# Altium PCB V1_PCB-main.PcbDoc (part 6 of 7)
Units mm, origin at the board's own origin, x right, y up, seen from the top; angles counter-clockwise.
Board outline 178 x 75 mm, 4 copper layers (Top Layer, Inner layer 1, Inner layer 2, Bottom Layer), stack 1.596 mm thick; 451 components, 230 nets, 1388 pads, 724 vias.
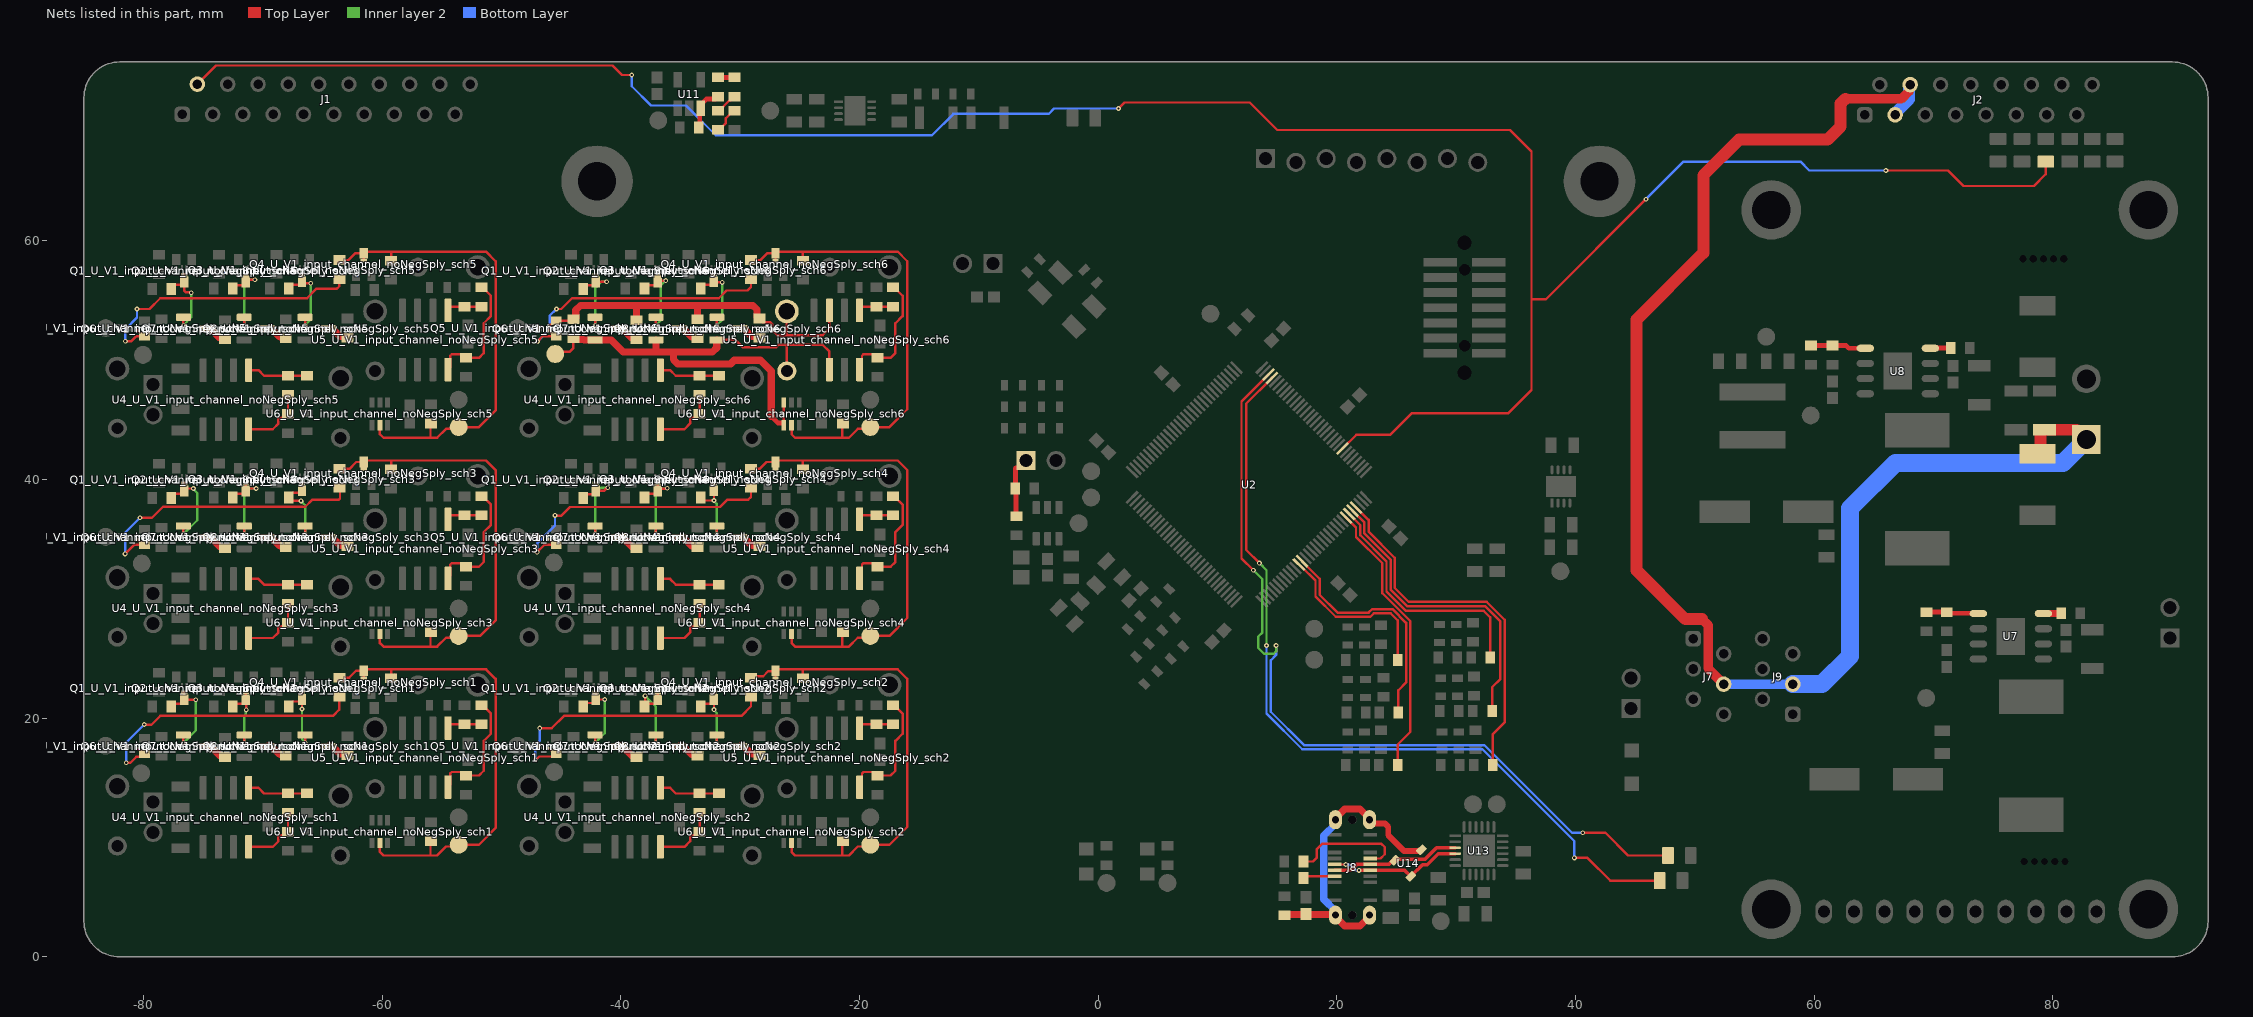
[diagram p8: the nets of this part, all layers, seen from the top]

## Via types
v1: diameter 0.4, hole 0.2, Top Layer to Bottom Layer, tented both sides, 712 vias
v2: diameter 0.5, hole 0.2, Top Layer to Bottom Layer, tented both sides, 12 vias

## Nets (pads, with @x,y where several pads share a name; then routed paths per layer and width w, separated by ;. In a path a pad name is that pad's centre, name@x,y a point inside that pad or via, vN(x,y) a via of type N, cw(c..) or ccw(c..) an arc to the next point about the centre after c; other vN are vias at no path point) (continued)
NetJ5_U_V1_input_channel_noNegSply_sch6_NEG: J5_U_V1_input_channel_noNegSply_sch6.NEG Q6_U_V1_input_channel_noNegSply_sch6.2 Q7_U_V1_input_channel_noNegSply_sch6.2 Q8_U_V1_input_channel_noNegSply_sch6.2 R25_U_V1_input_channel_noNegSply_sch6.1 TP5_U_V1_input_channel_noNegSply_sch6.1 U5_U_V1_input_channel_noNegSply_sch6.6 U6_U_V1_input_channel_noNegSply_sch6.3 U6_U_V1_input_channel_noNegSply_sch6.4 | length 47.1
  Top Layer w0.2: TP5_U_V1_input_channel_noNegSply_sch6.1@-45.5,50.525 -45.325,50.7 -44.3,50.7 -43.987,51.013 R25_U_V1_input_channel_noNegSply_sch6.1@-43.987,51.853 ; Q8_U_V1_input_channel_noNegSply_sch6.2@-31.967,51.703 -30.403,51.703 -29.8,51.1 -27,51.1 -26.8,51.3 -26.1,51.3 ; U6_U_V1_input_channel_noNegSply_sch6.4@-26.35,44.55 -26.35,44.737 U6_U_V1_input_channel_noNegSply_sch6.3@-26.35,46.45 ; J5_U_V1_input_channel_noNegSply_sch6.NEG@-26.1,49.1 -26.1,51.3 ; U5_U_V1_input_channel_noNegSply_sch6.6@-22.535,49.225 -22.535,50.735 -23.1,51.3 -26.1,51.3
  Top Layer w0.4: -27.4,45.3 -26.837,44.737 U6_U_V1_input_channel_noNegSply_sch6.4@-26.35,44.737
  Top Layer w0.6: R25_U_V1_input_channel_noNegSply_sch6.1@-43.987,51.853 -43.887,51.753 -43.153,51.753 -43.108,51.708 -42.172,51.708 Q6_U_V1_input_channel_noNegSply_sch6.2@-42.167,51.703 -40.803,51.703 -39.8,50.7 -37,50.7 ; Q7_U_V1_input_channel_noNegSply_sch6.2@-37.067,51.703 -37.067,50.767 -37,50.7 ; Q8_U_V1_input_channel_noNegSply_sch6.2@-31.967,51.703 -31.967,51.051 -32.318,50.7 -35.6,50.7 ; -27.4,45.3 -27.4,49.1 -28.3,50 -30.5,50 -30.8,49.7 -35.249,49.7 -35.6,50.051 -35.6,50.7 ; -37,50.7 -35.6,50.7
NetJ5_U_V1_input_channel_noNegSply_sch6_POS: J5_U_V1_input_channel_noNegSply_sch6.POS Q5_U_V1_input_channel_noNegSply_sch6.2 R25_U_V1_input_channel_noNegSply_sch6.2 R26_U_V1_input_channel_noNegSply_sch6.2 R28_U_V1_input_channel_noNegSply_sch6.2 R29_U_V1_input_channel_noNegSply_sch6.2 U5_U_V1_input_channel_noNegSply_sch6.3 | length 32.7
  Top Layer w0.2: Q5_U_V1_input_channel_noNegSply_sch6.2@-46.05,52.85 -46.015,52.85 -45.79,53.075 -45.675,53.075 Q5_U_V1_input_channel_noNegSply_sch6.2@-45.425,53.325 -44.114,53.325 R25_U_V1_input_channel_noNegSply_sch6.2@-43.987,53.453 R25_U_V1_input_channel_noNegSply_sch6.2@-44.087,53.453 ; R29_U_V1_input_channel_noNegSply_sch6.2@-28.4,53.5 -28.1,53.2 -27.517,53.2 -27.3,52.983 -27.3,52.5 -26.9,52.1 -26.1,52.1 ; J5_U_V1_input_channel_noNegSply_sch6.POS@-26.062,54.1 J5_U_V1_input_channel_noNegSply_sch6.POS@-26.1,54.1 -26.1,52.1 ; U5_U_V1_input_channel_noNegSply_sch6.3@-22.535,54.175 -22.535,52.665 -23.1,52.1 -26.1,52.1
  Top Layer w0.6: R25_U_V1_input_channel_noNegSply_sch6.2@-43.987,53.453 -43.887,53.453 -43.787,53.553 -43.787,54.213 -43.4,54.6 -38.687,54.6 ; R26_U_V1_input_channel_noNegSply_sch6.2@-38.687,53.353 -38.687,54.6 ; R28_U_V1_input_channel_noNegSply_sch6.2@-33.587,53.453 -33.587,54.587 -33.6,54.6 ; R29_U_V1_input_channel_noNegSply_sch6.2@-28.4,53.5 -28.5,53.5 -28.6,53.6 -28.6,54.249 -28.951,54.6 -33.6,54.6 ; J5_U_V1_input_channel_noNegSply_sch6.POS@-26.15,54.15 J5_U_V1_input_channel_noNegSply_sch6.POS@-26.1,54.1 ; -38.687,54.6 -33.6,54.6
NetP7_1: P7.1 R7.2 R8.1 | length 5.2
  Top Layer w0.4: R8.1@-6.846,36.946 -6.896,36.996 -6.896,39.196 R7.2@-6.946,39.246 -6.946,40.946 -6.893,41 -6.67,41 P7.1@-6.07,41.6
NetQ5_U_V1_input_channel_noNegSply_sch1_1: Q5_U_V1_input_channel_noNegSply_sch1.1 R30_U_V1_input_channel_noNegSply_sch1.2 | length 24.4
  Top Layer w0.2: v1(-81.45,16.275) -81.1,16.275 -80.6,16.775 -80.175,16.775 Q5_U_V1_input_channel_noNegSply_sch1.1@-79.925,17.025 -80.175,17.275 -80.29,17.275 -80.515,17.5 Q5_U_V1_input_channel_noNegSply_sch1.1@-80.55,17.5 ; v1(-79.95,19.475) -79.925,19.45 -79.35,19.45 -78.6,20.2 -64.125,20.2 -63.6,20.725 R30_U_V1_input_channel_noNegSply_sch1.2@-63.6,21.8
  Bottom Layer w0.2: v1(-81.45,16.275) -81.45,17.975 v1(-79.95,19.475)
NetQ5_U_V1_input_channel_noNegSply_sch2_1: Q5_U_V1_input_channel_noNegSply_sch2.1 R30_U_V1_input_channel_noNegSply_sch2.2 | length 24.8
  Top Layer w0.2: v1(-47.175,16.525) -47.121,16.525 -46.846,16.8 -45.65,16.8 Q5_U_V1_input_channel_noNegSply_sch2.1@-45.425,17.025 -45.675,17.275 -45.79,17.275 -46.015,17.5 Q5_U_V1_input_channel_noNegSply_sch2.1@-46.05,17.5 ; v1(-46.8,19.175) -45.8,19.175 -44.775,20.2 -29.9,20.2 -29.1,21 R30_U_V1_input_channel_noNegSply_sch2.2@-29.1,21.8
  Bottom Layer w0.2: v1(-47.175,16.525) -47.175,17.75 -46.8,18.125 v1(-46.8,19.175)
NetQ5_U_V1_input_channel_noNegSply_sch3_1: Q5_U_V1_input_channel_noNegSply_sch3.1 R30_U_V1_input_channel_noNegSply_sch3.2 | length 24.7
  Top Layer w0.2: v1(-81.55,33.775) -80.8,34.525 Q5_U_V1_input_channel_noNegSply_sch3.1@-79.925,34.525 -80.175,34.775 -80.29,34.775 -80.515,35 Q5_U_V1_input_channel_noNegSply_sch3.1@-80.55,35 ; v1(-80.3,36.8) -79.3,36.8 -78.375,37.725 -66.45,37.725 -65.875,38.3 -63.658,38.3 -63.541,38.417 R30_U_V1_input_channel_noNegSply_sch3.2@-63.541,39.359
  Bottom Layer w0.2: v1(-81.55,33.775) -81.55,35.55 v1(-80.3,36.8)
NetQ5_U_V1_input_channel_noNegSply_sch4_1: Q5_U_V1_input_channel_noNegSply_sch4.1 R30_U_V1_input_channel_noNegSply_sch4.2 | length 24.2
  Top Layer w0.2: v1(-47.025,33.925) -46.425,34.525 Q5_U_V1_input_channel_noNegSply_sch4.1@-45.425,34.525 -45.675,34.775 -45.79,34.775 -46.015,35 Q5_U_V1_input_channel_noNegSply_sch4.1@-46.05,35 ; v1(-45.525,37) -45.487,36.962 -45.012,36.962 -44.273,37.7 -31.7,37.7 -31.075,38.325 -29.325,38.325 -29.1,38.55 R30_U_V1_input_channel_noNegSply_sch4.2@-29.1,39.3
  Bottom Layer w0.2: v1(-47.025,33.925) -47.025,34.65 -45.525,36.15 v1(-45.525,37)
NetQ5_U_V1_input_channel_noNegSply_sch5_1: Q5_U_V1_input_channel_noNegSply_sch5.1 R30_U_V1_input_channel_noNegSply_sch5.2 | length 24
  Top Layer w0.2: v1(-81.525,51.6) -81.025,51.6 -80.6,52.025 Q5_U_V1_input_channel_noNegSply_sch5.1@-79.925,52.025 -80.175,52.275 -80.29,52.275 -80.515,52.5 Q5_U_V1_input_channel_noNegSply_sch5.1@-80.55,52.5 ; v1(-80.55,54.3) -79.5,54.3 -78.6,55.2 -66.3,55.2 -65.5,56 -63.8,56 -63.6,56.2 R30_U_V1_input_channel_noNegSply_sch5.2@-63.6,56.8
  Bottom Layer w0.2: v1(-81.525,51.6) -81.525,52.6 -80.55,53.575 v1(-80.55,54.3)
NetQ5_U_V1_input_channel_noNegSply_sch6_1: Q5_U_V1_input_channel_noNegSply_sch6.1 R30_U_V1_input_channel_noNegSply_sch6.2 | length 23.7
  Top Layer w0.2: v1(-47,51.575) -46.55,52.025 Q5_U_V1_input_channel_noNegSply_sch6.1@-45.425,52.025 -45.675,52.275 -45.79,52.275 -46.015,52.5 Q5_U_V1_input_channel_noNegSply_sch6.1@-46.05,52.5 ; v1(-45.4,54.3) -45,54.3 -44.1,55.2 -31.8,55.2 -31.15,55.85 -29.4,55.85 -29.1,56.15 R30_U_V1_input_channel_noNegSply_sch6.2@-29.1,56.8
  Bottom Layer w0.2: v1(-47,51.575) -45.975,52.6 -45.975,53.725 v1(-45.4,54.3)
NetQ6_U_V1_input_channel_noNegSply_sch1_3: Q6_U_V1_input_channel_noNegSply_sch1.3 R26_U_V1_input_channel_noNegSply_sch1.1 | length 1.9
  Top Layer w0.6: Q6_U_V1_input_channel_noNegSply_sch1.3@-74.707,17.653 -74.382,17.653 -73.582,16.853 -73.287,16.853 R26_U_V1_input_channel_noNegSply_sch1.1@-73.187,16.753
NetQ6_U_V1_input_channel_noNegSply_sch2_3: Q6_U_V1_input_channel_noNegSply_sch2.3 R26_U_V1_input_channel_noNegSply_sch2.1 | length 1.9
  Top Layer w0.6: Q6_U_V1_input_channel_noNegSply_sch2.3@-40.207,17.653 -39.882,17.653 -39.082,16.853 -38.787,16.853 R26_U_V1_input_channel_noNegSply_sch2.1@-38.687,16.753
NetQ6_U_V1_input_channel_noNegSply_sch3_3: Q6_U_V1_input_channel_noNegSply_sch3.3 R26_U_V1_input_channel_noNegSply_sch3.1 | length 1.9
  Top Layer w0.6: Q6_U_V1_input_channel_noNegSply_sch3.3@-74.707,35.153 -74.382,35.153 -73.582,34.353 -73.287,34.353 R26_U_V1_input_channel_noNegSply_sch3.1@-73.187,34.253
NetQ6_U_V1_input_channel_noNegSply_sch4_3: Q6_U_V1_input_channel_noNegSply_sch4.3 R26_U_V1_input_channel_noNegSply_sch4.1 | length 1.9
  Top Layer w0.6: Q6_U_V1_input_channel_noNegSply_sch4.3@-40.207,35.153 -39.882,35.153 -39.082,34.353 -38.787,34.353 R26_U_V1_input_channel_noNegSply_sch4.1@-38.687,34.253
NetQ6_U_V1_input_channel_noNegSply_sch5_3: Q6_U_V1_input_channel_noNegSply_sch5.3 R26_U_V1_input_channel_noNegSply_sch5.1 | length 1.9
  Top Layer w0.6: Q6_U_V1_input_channel_noNegSply_sch5.3@-74.707,52.653 -74.382,52.653 -73.582,51.853 -73.287,51.853 R26_U_V1_input_channel_noNegSply_sch5.1@-73.187,51.753
NetQ6_U_V1_input_channel_noNegSply_sch6_3: Q6_U_V1_input_channel_noNegSply_sch6.3 R26_U_V1_input_channel_noNegSply_sch6.1 | length 1.9
  Top Layer w0.6: Q6_U_V1_input_channel_noNegSply_sch6.3@-40.207,52.653 -39.882,52.653 -39.082,51.853 -38.787,51.853 R26_U_V1_input_channel_noNegSply_sch6.1@-38.687,51.753
NetQ7_U_V1_input_channel_noNegSply_sch1_3: Q7_U_V1_input_channel_noNegSply_sch1.3 R28_U_V1_input_channel_noNegSply_sch1.1 | length 1.9
  Top Layer w0.6: Q7_U_V1_input_channel_noNegSply_sch1.3@-69.606,17.653 -69.282,17.653 -68.582,16.953 -68.187,16.953 R28_U_V1_input_channel_noNegSply_sch1.1@-68.087,16.853
NetQ7_U_V1_input_channel_noNegSply_sch2_3: Q7_U_V1_input_channel_noNegSply_sch2.3 R28_U_V1_input_channel_noNegSply_sch2.1 | length 1.9
  Top Layer w0.6: Q7_U_V1_input_channel_noNegSply_sch2.3@-35.107,17.653 -34.782,17.653 -34.082,16.953 -33.687,16.953 R28_U_V1_input_channel_noNegSply_sch2.1@-33.587,16.853
NetQ7_U_V1_input_channel_noNegSply_sch3_3: Q7_U_V1_input_channel_noNegSply_sch3.3 R28_U_V1_input_channel_noNegSply_sch3.1 | length 1.9
  Top Layer w0.6: Q7_U_V1_input_channel_noNegSply_sch3.3@-69.607,35.153 -69.282,35.153 -68.582,34.453 -68.187,34.453 R28_U_V1_input_channel_noNegSply_sch3.1@-68.087,34.353
NetQ7_U_V1_input_channel_noNegSply_sch4_3: Q7_U_V1_input_channel_noNegSply_sch4.3 R28_U_V1_input_channel_noNegSply_sch4.1 | length 1.9
  Top Layer w0.6: Q7_U_V1_input_channel_noNegSply_sch4.3@-35.107,35.153 -34.782,35.153 -34.082,34.453 -33.687,34.453 R28_U_V1_input_channel_noNegSply_sch4.1@-33.587,34.353
NetQ7_U_V1_input_channel_noNegSply_sch5_3: Q7_U_V1_input_channel_noNegSply_sch5.3 R28_U_V1_input_channel_noNegSply_sch5.1 | length 1.9
  Top Layer w0.6: Q7_U_V1_input_channel_noNegSply_sch5.3@-69.607,52.653 -69.282,52.653 -68.582,51.953 -68.187,51.953 R28_U_V1_input_channel_noNegSply_sch5.1@-68.087,51.853
NetQ7_U_V1_input_channel_noNegSply_sch6_3: Q7_U_V1_input_channel_noNegSply_sch6.3 R28_U_V1_input_channel_noNegSply_sch6.1 | length 1.9
  Top Layer w0.6: Q7_U_V1_input_channel_noNegSply_sch6.3@-35.107,52.653 -34.782,52.653 -34.082,51.953 -33.687,51.953 R28_U_V1_input_channel_noNegSply_sch6.1@-33.587,51.853
NetQ8_U_V1_input_channel_noNegSply_sch1_3: Q8_U_V1_input_channel_noNegSply_sch1.3 R29_U_V1_input_channel_noNegSply_sch1.1 | length 1.9
  Top Layer w0.6: Q8_U_V1_input_channel_noNegSply_sch1.3@-64.507,17.653 -64.182,17.653 -63.529,17 -63,17 R29_U_V1_input_channel_noNegSply_sch1.1@-62.9,16.9
NetQ8_U_V1_input_channel_noNegSply_sch2_3: Q8_U_V1_input_channel_noNegSply_sch2.3 R29_U_V1_input_channel_noNegSply_sch2.1 | length 1.9
  Top Layer w0.6: Q8_U_V1_input_channel_noNegSply_sch2.3@-30.007,17.653 -29.682,17.653 -29.029,17 -28.5,17 R29_U_V1_input_channel_noNegSply_sch2.1@-28.4,16.9
NetQ8_U_V1_input_channel_noNegSply_sch3_3: Q8_U_V1_input_channel_noNegSply_sch3.3 R29_U_V1_input_channel_noNegSply_sch3.1 | length 1.9
  Top Layer w0.6: Q8_U_V1_input_channel_noNegSply_sch3.3@-64.507,35.153 -64.182,35.153 -63.529,34.5 -63,34.5 R29_U_V1_input_channel_noNegSply_sch3.1@-62.9,34.4
NetQ8_U_V1_input_channel_noNegSply_sch4_3: Q8_U_V1_input_channel_noNegSply_sch4.3 R29_U_V1_input_channel_noNegSply_sch4.1 | length 1.9
  Top Layer w0.6: Q8_U_V1_input_channel_noNegSply_sch4.3@-30.007,35.153 -29.682,35.153 -29.029,34.5 -28.5,34.5 R29_U_V1_input_channel_noNegSply_sch4.1@-28.4,34.4
NetQ8_U_V1_input_channel_noNegSply_sch5_3: Q8_U_V1_input_channel_noNegSply_sch5.3 R29_U_V1_input_channel_noNegSply_sch5.1 | length 1.9
  Top Layer w0.6: Q8_U_V1_input_channel_noNegSply_sch5.3@-64.507,52.653 -64.182,52.653 -63.529,52 -63,52 R29_U_V1_input_channel_noNegSply_sch5.1@-62.9,51.9
NetQ8_U_V1_input_channel_noNegSply_sch6_3: Q8_U_V1_input_channel_noNegSply_sch6.3 R29_U_V1_input_channel_noNegSply_sch6.1 | length 1.9
  Top Layer w0.6: Q8_U_V1_input_channel_noNegSply_sch6.3@-30.007,52.653 -29.682,52.653 -29.029,52 -28.5,52 R29_U_V1_input_channel_noNegSply_sch6.1@-28.4,51.9
NetR9_U_V1_input_channel_noNegSply_sch1_1: R9_U_V1_input_channel_noNegSply_sch1.1 R10_U_V1_input_channel_noNegSply_sch1.2 U4_U_V1_input_channel_noNegSply_sch1.8 | length 5.6
  Top Layer w0.2: U4_U_V1_input_channel_noNegSply_sch1.8@-71.195,9.225 -69.175,9.225 -68.7,9.7 -68.7,10.083 -68.583,10.2 -68.2,10.2 R9_U_V1_input_channel_noNegSply_sch1.1@-67.9,10.5 R10_U_V1_input_channel_noNegSply_sch1.2@-67.9,12.1
NetR9_U_V1_input_channel_noNegSply_sch2_1: R9_U_V1_input_channel_noNegSply_sch2.1 R10_U_V1_input_channel_noNegSply_sch2.2 U4_U_V1_input_channel_noNegSply_sch2.8 | length 5.6
  Top Layer w0.2: U4_U_V1_input_channel_noNegSply_sch2.8@-36.695,9.225 -34.675,9.225 -34.2,9.7 -34.2,10.083 -34.083,10.2 -33.7,10.2 R9_U_V1_input_channel_noNegSply_sch2.1@-33.4,10.5 R10_U_V1_input_channel_noNegSply_sch2.2@-33.4,12.1
NetR9_U_V1_input_channel_noNegSply_sch3_1: R9_U_V1_input_channel_noNegSply_sch3.1 R10_U_V1_input_channel_noNegSply_sch3.2 U4_U_V1_input_channel_noNegSply_sch3.8 | length 5.6
  Top Layer w0.2: U4_U_V1_input_channel_noNegSply_sch3.8@-71.195,26.725 -69.175,26.725 -68.7,27.2 -68.7,27.583 -68.583,27.7 -68.2,27.7 R9_U_V1_input_channel_noNegSply_sch3.1@-67.9,28 R10_U_V1_input_channel_noNegSply_sch3.2@-67.9,29.6
NetR9_U_V1_input_channel_noNegSply_sch4_1: R9_U_V1_input_channel_noNegSply_sch4.1 R10_U_V1_input_channel_noNegSply_sch4.2 U4_U_V1_input_channel_noNegSply_sch4.8 | length 5.6
  Top Layer w0.2: U4_U_V1_input_channel_noNegSply_sch4.8@-36.695,26.725 -34.675,26.725 -34.2,27.2 -34.2,27.583 -34.083,27.7 -33.7,27.7 R9_U_V1_input_channel_noNegSply_sch4.1@-33.4,28 R10_U_V1_input_channel_noNegSply_sch4.2@-33.4,29.6
NetR9_U_V1_input_channel_noNegSply_sch5_1: R9_U_V1_input_channel_noNegSply_sch5.1 R10_U_V1_input_channel_noNegSply_sch5.2 U4_U_V1_input_channel_noNegSply_sch5.8 | length 5.6
  Top Layer w0.2: U4_U_V1_input_channel_noNegSply_sch5.8@-71.195,44.225 -69.175,44.225 -68.7,44.7 -68.7,45.083 -68.583,45.2 -68.2,45.2 R9_U_V1_input_channel_noNegSply_sch5.1@-67.9,45.5 R10_U_V1_input_channel_noNegSply_sch5.2@-67.9,47.1
NetR9_U_V1_input_channel_noNegSply_sch6_1: R9_U_V1_input_channel_noNegSply_sch6.1 R10_U_V1_input_channel_noNegSply_sch6.2 U4_U_V1_input_channel_noNegSply_sch6.8 | length 5.6
  Top Layer w0.2: U4_U_V1_input_channel_noNegSply_sch6.8@-36.695,44.225 -34.675,44.225 -34.2,44.7 -34.2,45.083 -34.083,45.2 -33.7,45.2 R9_U_V1_input_channel_noNegSply_sch6.1@-33.4,45.5 R10_U_V1_input_channel_noNegSply_sch6.2@-33.4,47.1
NetR10_U_V1_input_channel_noNegSply_sch1_1: R10_U_V1_input_channel_noNegSply_sch1.1 R12_U_V1_input_channel_noNegSply_sch1.2 U4_U_V1_input_channel_noNegSply_sch1.1 | length 5.1
  Top Layer w0.2: U4_U_V1_input_channel_noNegSply_sch1.1@-71.195,14.175 -70.375,14.175 -69.9,13.7 R10_U_V1_input_channel_noNegSply_sch1.1@-67.9,13.7 R12_U_V1_input_channel_noNegSply_sch1.2@-66.3,13.7
NetR10_U_V1_input_channel_noNegSply_sch2_1: R10_U_V1_input_channel_noNegSply_sch2.1 R12_U_V1_input_channel_noNegSply_sch2.2 U4_U_V1_input_channel_noNegSply_sch2.1 | length 5.1
  Top Layer w0.2: U4_U_V1_input_channel_noNegSply_sch2.1@-36.695,14.175 -35.875,14.175 -35.4,13.7 R10_U_V1_input_channel_noNegSply_sch2.1@-33.4,13.7 R12_U_V1_input_channel_noNegSply_sch2.2@-31.8,13.7
NetR10_U_V1_input_channel_noNegSply_sch3_1: R10_U_V1_input_channel_noNegSply_sch3.1 R12_U_V1_input_channel_noNegSply_sch3.2 U4_U_V1_input_channel_noNegSply_sch3.1 | length 5.1
  Top Layer w0.2: U4_U_V1_input_channel_noNegSply_sch3.1@-71.195,31.675 -70.375,31.675 -69.9,31.2 R10_U_V1_input_channel_noNegSply_sch3.1@-67.9,31.2 R12_U_V1_input_channel_noNegSply_sch3.2@-66.3,31.2
NetR10_U_V1_input_channel_noNegSply_sch4_1: R10_U_V1_input_channel_noNegSply_sch4.1 R12_U_V1_input_channel_noNegSply_sch4.2 U4_U_V1_input_channel_noNegSply_sch4.1 | length 5.1
  Top Layer w0.2: U4_U_V1_input_channel_noNegSply_sch4.1@-36.695,31.675 -35.875,31.675 -35.4,31.2 R10_U_V1_input_channel_noNegSply_sch4.1@-33.4,31.2 R12_U_V1_input_channel_noNegSply_sch4.2@-31.8,31.2
NetR10_U_V1_input_channel_noNegSply_sch5_1: R10_U_V1_input_channel_noNegSply_sch5.1 R12_U_V1_input_channel_noNegSply_sch5.2 U4_U_V1_input_channel_noNegSply_sch5.1 | length 5.1
  Top Layer w0.2: U4_U_V1_input_channel_noNegSply_sch5.1@-71.195,49.175 -70.375,49.175 -69.9,48.7 R10_U_V1_input_channel_noNegSply_sch5.1@-67.9,48.7 R12_U_V1_input_channel_noNegSply_sch5.2@-66.3,48.7
NetR10_U_V1_input_channel_noNegSply_sch6_1: R10_U_V1_input_channel_noNegSply_sch6.1 R12_U_V1_input_channel_noNegSply_sch6.2 U4_U_V1_input_channel_noNegSply_sch6.1 | length 5.1
  Top Layer w0.2: U4_U_V1_input_channel_noNegSply_sch6.1@-36.695,49.175 -35.875,49.175 -35.4,48.7 R10_U_V1_input_channel_noNegSply_sch6.1@-33.4,48.7 R12_U_V1_input_channel_noNegSply_sch6.2@-31.8,48.7
NetR18_U_V1_input_channel_noNegSply_sch1_1: R18_U_V1_input_channel_noNegSply_sch1.1 R19_U_V1_input_channel_noNegSply_sch1.2 U5_U_V1_input_channel_noNegSply_sch1.8 | length 10.5
  Top Layer w0.2: U5_U_V1_input_channel_noNegSply_sch1.8@-54.495,14.225 -54.3,14.42 -54.3,15.383 -54.183,15.5 -53.3,15.5 R18_U_V1_input_channel_noNegSply_sch1.1@-53,15.2 -51.9,15.2 -51.5,15.6 -51.5,18.1 -50.9,18.7 -50.9,20.4 -51.6,21.1 R19_U_V1_input_channel_noNegSply_sch1.2@-51.7,21.1
NetR18_U_V1_input_channel_noNegSply_sch2_1: R18_U_V1_input_channel_noNegSply_sch2.1 R19_U_V1_input_channel_noNegSply_sch2.2 U5_U_V1_input_channel_noNegSply_sch2.8 | length 10.5
  Top Layer w0.2: U5_U_V1_input_channel_noNegSply_sch2.8@-19.995,14.225 -19.8,14.42 -19.8,15.383 -19.683,15.5 -18.8,15.5 R18_U_V1_input_channel_noNegSply_sch2.1@-18.5,15.2 -17.4,15.2 -17,15.6 -17,18.1 -16.4,18.7 -16.4,20.4 -17.1,21.1 R19_U_V1_input_channel_noNegSply_sch2.2@-17.2,21.1
NetR18_U_V1_input_channel_noNegSply_sch3_1: R18_U_V1_input_channel_noNegSply_sch3.1 R19_U_V1_input_channel_noNegSply_sch3.2 U5_U_V1_input_channel_noNegSply_sch3.8 | length 10.5
  Top Layer w0.2: U5_U_V1_input_channel_noNegSply_sch3.8@-54.495,31.725 -54.3,31.92 -54.3,32.883 -54.183,33 -53.3,33 R18_U_V1_input_channel_noNegSply_sch3.1@-53,32.7 -51.9,32.7 -51.5,33.1 -51.5,35.6 -50.9,36.2 -50.9,37.9 -51.6,38.6 R19_U_V1_input_channel_noNegSply_sch3.2@-51.7,38.6
NetR18_U_V1_input_channel_noNegSply_sch4_1: R18_U_V1_input_channel_noNegSply_sch4.1 R19_U_V1_input_channel_noNegSply_sch4.2 U5_U_V1_input_channel_noNegSply_sch4.8 | length 10.5
  Top Layer w0.2: U5_U_V1_input_channel_noNegSply_sch4.8@-19.995,31.725 -19.8,31.92 -19.8,32.883 -19.683,33 -18.8,33 R18_U_V1_input_channel_noNegSply_sch4.1@-18.5,32.7 -17.4,32.7 -17,33.1 -17,35.6 -16.4,36.2 -16.4,37.9 -17.1,38.6 R19_U_V1_input_channel_noNegSply_sch4.2@-17.2,38.6
NetR18_U_V1_input_channel_noNegSply_sch5_1: R18_U_V1_input_channel_noNegSply_sch5.1 R19_U_V1_input_channel_noNegSply_sch5.2 U5_U_V1_input_channel_noNegSply_sch5.8 | length 10.5
  Top Layer w0.2: U5_U_V1_input_channel_noNegSply_sch5.8@-54.495,49.225 -54.3,49.42 -54.3,50.383 -54.183,50.5 -53.3,50.5 R18_U_V1_input_channel_noNegSply_sch5.1@-53,50.2 -51.9,50.2 -51.5,50.6 -51.5,53.1 -50.9,53.7 -50.9,55.4 -51.6,56.1 R19_U_V1_input_channel_noNegSply_sch5.2@-51.7,56.1
NetR18_U_V1_input_channel_noNegSply_sch6_1: R18_U_V1_input_channel_noNegSply_sch6.1 R19_U_V1_input_channel_noNegSply_sch6.2 U5_U_V1_input_channel_noNegSply_sch6.8 | length 10.5
  Top Layer w0.2: U5_U_V1_input_channel_noNegSply_sch6.8@-19.995,49.225 -19.8,49.42 -19.8,50.383 -19.683,50.5 -18.8,50.5 R18_U_V1_input_channel_noNegSply_sch6.1@-18.5,50.2 -17.4,50.2 -17,50.6 -17,53.1 -16.4,53.7 -16.4,55.4 -17.1,56.1 R19_U_V1_input_channel_noNegSply_sch6.2@-17.2,56.1
NetR19_U_V1_input_channel_noNegSply_sch1_1: R19_U_V1_input_channel_noNegSply_sch1.1 R22_U_V1_input_channel_noNegSply_sch1.2 U5_U_V1_input_channel_noNegSply_sch1.1 | length 3
  Top Layer w0.2: U5_U_V1_input_channel_noNegSply_sch1.1@-54.495,19.175 -54.495,19.305 -54.3,19.5 R22_U_V1_input_channel_noNegSply_sch1.2@-53.1,19.5 R19_U_V1_input_channel_noNegSply_sch1.1@-51.7,19.5
NetR19_U_V1_input_channel_noNegSply_sch2_1: R19_U_V1_input_channel_noNegSply_sch2.1 R22_U_V1_input_channel_noNegSply_sch2.2 U5_U_V1_input_channel_noNegSply_sch2.1 | length 3
  Top Layer w0.2: U5_U_V1_input_channel_noNegSply_sch2.1@-19.995,19.175 -19.995,19.305 -19.8,19.5 R22_U_V1_input_channel_noNegSply_sch2.2@-18.6,19.5 R19_U_V1_input_channel_noNegSply_sch2.1@-17.2,19.5
NetR19_U_V1_input_channel_noNegSply_sch3_1: R19_U_V1_input_channel_noNegSply_sch3.1 R22_U_V1_input_channel_noNegSply_sch3.2 U5_U_V1_input_channel_noNegSply_sch3.1 | length 3
  Top Layer w0.2: U5_U_V1_input_channel_noNegSply_sch3.1@-54.495,36.675 -54.495,36.805 -54.3,37 R22_U_V1_input_channel_noNegSply_sch3.2@-53.1,37 R19_U_V1_input_channel_noNegSply_sch3.1@-51.7,37
NetR19_U_V1_input_channel_noNegSply_sch4_1: R19_U_V1_input_channel_noNegSply_sch4.1 R22_U_V1_input_channel_noNegSply_sch4.2 U5_U_V1_input_channel_noNegSply_sch4.1 | length 3
  Top Layer w0.2: U5_U_V1_input_channel_noNegSply_sch4.1@-19.995,36.675 -19.995,36.805 -19.8,37 R22_U_V1_input_channel_noNegSply_sch4.2@-18.6,37 R19_U_V1_input_channel_noNegSply_sch4.1@-17.2,37
NetR19_U_V1_input_channel_noNegSply_sch5_1: R19_U_V1_input_channel_noNegSply_sch5.1 R22_U_V1_input_channel_noNegSply_sch5.2 U5_U_V1_input_channel_noNegSply_sch5.1 | length 3
  Top Layer w0.2: U5_U_V1_input_channel_noNegSply_sch5.1@-54.495,54.175 -54.495,54.305 -54.3,54.5 R22_U_V1_input_channel_noNegSply_sch5.2@-53.1,54.5 R19_U_V1_input_channel_noNegSply_sch5.1@-51.7,54.5
NetR19_U_V1_input_channel_noNegSply_sch6_1: R19_U_V1_input_channel_noNegSply_sch6.1 R22_U_V1_input_channel_noNegSply_sch6.2 U5_U_V1_input_channel_noNegSply_sch6.1 | length 3